# Altium PCB controller_V1.1.PcbDoc (part 6 of 7) (continued)
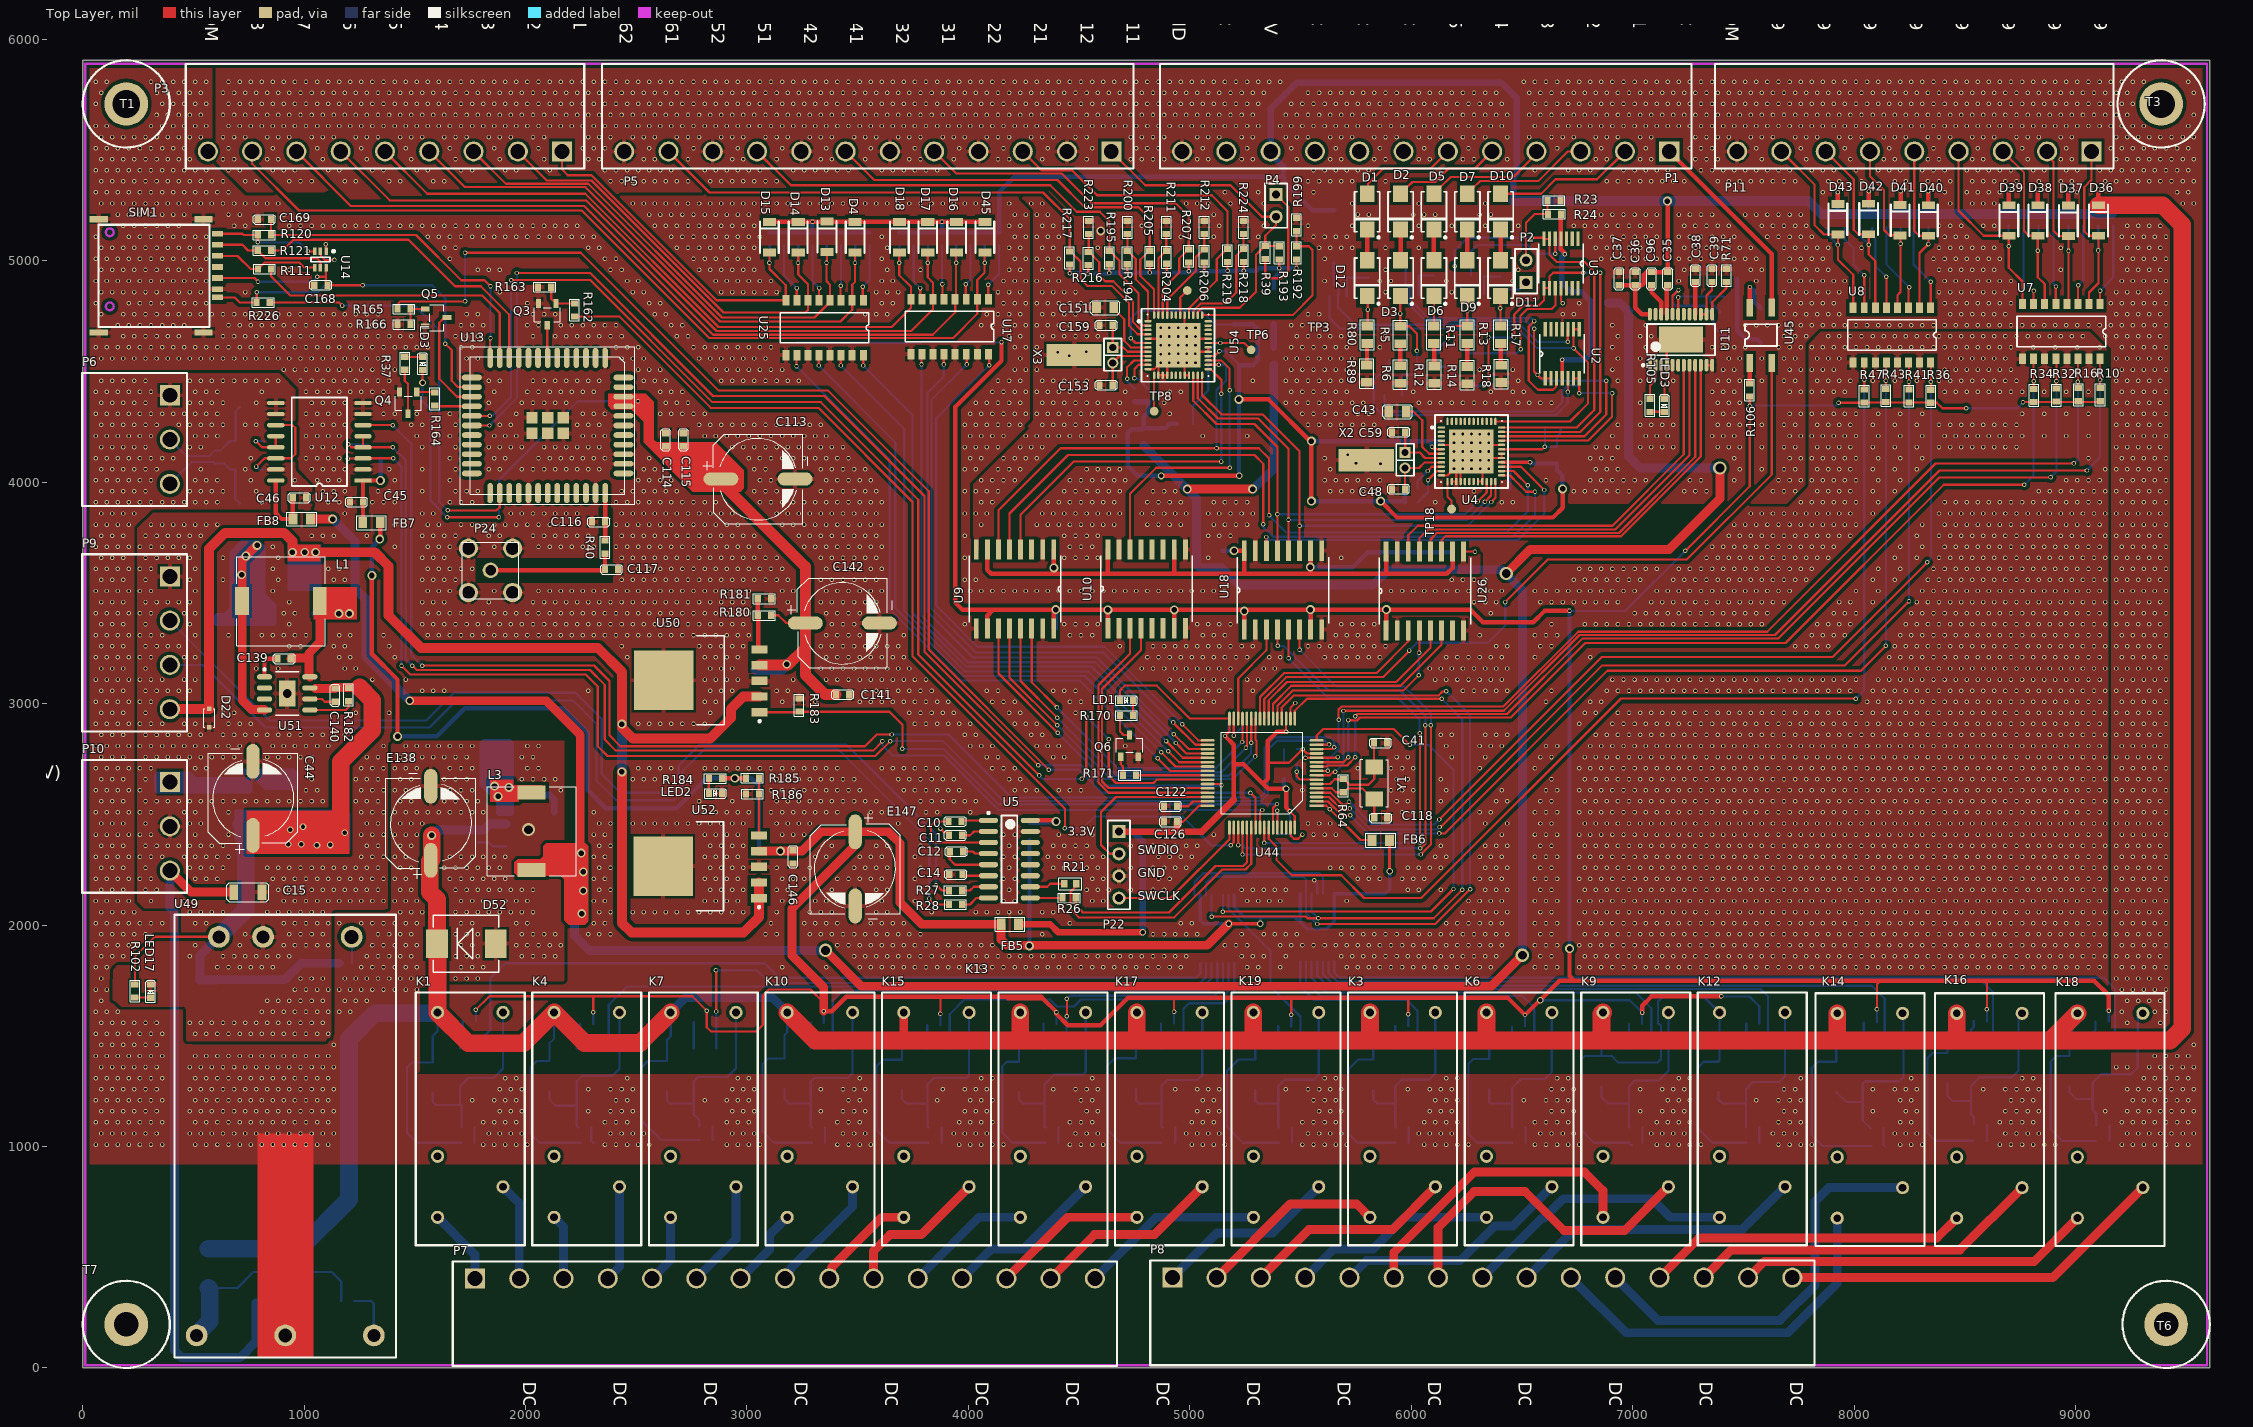
[diagram p0: Top Layer view]
## Nets (pads, with @x,y where several pads share a name; then routed paths per layer and width w, separated by ;. In a path a pad name is that pad's centre, name@x,y a point inside that pad or via, vN(x,y) a via of type N, cw(c..) or ccw(c..) an arc to the next point about the centre after c; other vN are vias at no path point) (continued)
  Bottom Layer w10: v1(5142,4400) 5142,4094 v1(5142.5,4093.5) v1@5143,4093
MD\R\D\Y\_PT1_MCU: U9.13 U44.28 | length 1605.9
  Top Layer w10: U9.13@4235.85,3339.9 4235.85,3102.15 v1(4401,2937) ; v1(5254,2801) 5254,2803.71 5257.99,2807.7 U44.28@5257.99,2932.7
  Bottom Layer w10: v1(4401,2937) 4648,2690 5143,2690 v1(5254,2801)
MD\R\D\Y\_PT2: U9.3
MD\R\D\Y\_PT2_MCU: U9.14 U44.29 | length 1510
  Top Layer w10: U9.14@4285.85,3339.9 4285.85,3097.15 v1(4400,2983) ; v1(5236,2827) 5236,2829.71 5238.31,2832.01 U44.29@5238.31,2932.7
  Bottom Layer w10: v1(4400,2983) 4675,2708 5117,2708 v1(5236,2827)
MIBSPI1CLK: U18.4 U44.51 | length 2387.4
  Top Layer w10: v1@5218,2361 v1(5218.62,2361.62) U44.51@5218.62,2440.57 ; v1@5395.85,3263.15 U18.4@5395.85,3334.9 ; v1(6040.55,2347) 6043.19,2347 6065,2368.81 6065,2902 v1(6064,2903)
  Bottom Layer w10: v1(5218.62,2361.62) 5236.53,2361.62 5251.15,2347 v1(6040.55,2347) ; v1(5398,3261) 5425,3261 5626,3060 5949,3060 6065,2944 6065,2904 v1(6064,2903)
MIBSPI1MCS1: U18.3 U44.30 | length 454.9
  Top Layer w10: U44.30@5218.62,2932.7 5218.62,3113.62 5345.85,3240.85 U18.3@5345.85,3334.9
MIBSPI1MCS2: U10.3 U44.45 | length 1268.1
  Top Layer w10: U10.3@4729.85,3340.9 4729.85,3225.85 4588,3084 4588,2643 4632.94,2598.06 U44.45@5080.83,2598.06
MIBSPI1MCS3: U10.4 U44.44 | length 1255
  Top Layer w10: U10.4@4779.85,3340.9 4779.85,3241.85 4604,3066 4604,2648.21 4633.21,2619 4749,2619 5079.57,2619 U44.44@5080.83,2617.74
MIBSPI1SIMO: U18.5 U44.57 | length 2166.3
  Top Layer w10: U44.57@5336.73,2440.57 5336.73,2371.27 v1(5337,2371) ; v1@5445.85,3205.15 U18.5@5445.85,3334.9 ; v1(6038,2867) 6039.9,2865.1 v1(6039.9,2371.99)
  Bottom Layer w10: v1(5337,2371) 6038.9,2371 v1(6039.9,2371.99) ; v1(5446,3205) 5623,3028 5938,3028 6038,2928 v1(6038,2867)
MIBSPI1SOMI: U18.6 U44.52 | length 2418.3
  Top Layer w10: v1(5238,2319) 5238.62,2319.62 5238.62,2383.59 5238.31,2383.9 U44.52@5238.31,2440.57 ; v1(5495.85,3243.15) U18.6@5495.85,3334.9 ; v1(6043,2319) 6089,2365 v1(6089,2903)
  Bottom Layer w10: v1(5238,2319) v1(6043,2319) ; v1@5496,3243 5662,3077 5969,3077 6017,3029 ; 6039,3007 6017,3029 ; v1(6089,2903) 6089,2957 6017,3029
MISO_AO_MCU: U26.6 U44.22 | length 1002.2
  Top Layer w10: U44.22@5376.1,2932.7 5376.1,2998.4 5458.7,3081 5951.85,3081 6136.85,3266 U26.6@6136.85,3330.87
MOSI_AO_MCU: U26.5 U44.23 | length 989.2
  Top Layer w10: U44.23@5356.42,2932.7 5356.42,3015 5439.42,3098 5931.85,3098 6086.85,3253 U26.5@6086.85,3330.87
MSR0: D12.2 R7.2 R80.2 | length 223.5
  Top Layer w10: R80.2@5801.29,4705.74 5804,4708.45 5804,4838.58 D12.2@5801.29,4841.29
  Bottom Layer w10: v1(5804,4780) 5804,4861.75 R7.2@5806.79,4864.54
MSR1: D3.2 R5.2 R29.2 | length 351.8
  Top Layer w10: D3.2@5951.92,4841.29 5950.92,4840.29 v1(5950.92,4761.9) R5.2@5950.92,4704.74 5992.46,4704.74 6026,4671.2 v1(6026,4593)
  Bottom Layer w10: v1(6026,4593) 6026,4546.45 R29.2@6026.79,4545.65
MSR2: D6.2 R1.2 R11.2 | length 236.3
  Top Layer w10: R11.2@6102.54,4705.74 D6.2@6102.54,4841.29
  Bottom Layer w10: v1(6102.54,4773.52) R1.2@6102.54,4874.26
MSR3: D9.2 R13.2 R44.2 | length 354.5
  Top Layer w10: v1(6168,4650) 6168,4690.19 6183.55,4705.74 R13.2@6253.17,4705.74 v1(6253.17,4773.52) D9.2@6253.17,4841.29
  Bottom Layer w10: R44.2@6124,4581.06 6124,4606 v1(6168,4650)
MSR4: D11.2 P2.1 R3.2 R17.2 | length 351.2
  Top Layer w10: R17.2@6403.79,4705.74 D11.2@6403.79,4841.29
  Bottom Layer w10: v1@6403.79,4784.92 v1(6402.79,4785.92) R3.2@6402.79,4870.54 6486.54,4870.54 P2.1@6519,4903
MSTART: R19.2 R189.2 U4.26 U9.6 U54.26 | length 3787.3
  Top Layer w10: U9.6@4135.85,3695.9 4135.85,3873.85 4416,4154 v1(5121,4154) 5312,4154 5358,4108 v1(5358,3851) ; U54.26@5082.99,4530.42 v1(5131.58,4530.42) v1@5132,4530 ; U4.26@6407.99,4050.42 6462.58,4050.42 6469,4044 ; 6482,4031 6469,4044 ; v1(6526,3987) 6469,4044
  Bottom Layer w10: v1(5121,4154) 5121,4416.89 R189.2@5163.11,4459 R19.2@5163.11,4529 5161.69,4530.42 v1(5131.58,4530.42) ; v1(5358,3851) 5436,3773 6431,3773 6526,3868 v1(6526,3987)
MSTART_MCU: U9.11 U44.26 | length 1777.7
  Top Layer w10: U9.11@4135.85,3339.9 4135.85,3136.15 v1(4404,2868) ; v1(5295.8,2761.8) 5295.8,2764.5 5301,2769.71 5301,2832 5297.36,2835.64 U44.26@5297.36,2932.7
  Bottom Layer w10: v1(4404,2868) 4612,2660 4641,2660 5194,2660 v1(5295.8,2761.8)
NetC3_1: C3.1 R1.1 R2.2 | length 158.4
  Bottom Layer w10: C3.1@6033,4845 6034.01,4846.01 R2.2@6034.01,4934.1 6034.81,4933.31 R1.1@6102.54,4933.31
NetC4_1: C4.1 R3.1 R4.2 | length 158.4
  Bottom Layer w10: C4.1@6327.79,4847.6 6328.83,4848.64 R4.2@6328.83,4931 6330.23,4929.6 R3.1@6402.79,4929.6
NetC5_1: C5.1 R7.1 R8.2 | length 180.8
  Bottom Layer w10: C5.1@5709.79,4840.6 5708.79,4841.6 R8.2@5708.79,4922.6 5709.79,4923.6 R7.1@5806.79,4923.6
NetC6_2: C6.2 R2.1 U2.3 | length 1261.5
  Top Layer w10: v1(6556,4728) 6531,4703 6531,4459 6572,4418 6641,4418 6654.41,4431.41 6654.41,4467 U2.3@6656.41,4469
  Bottom Layer w10: C6.2@5975.9,5012.06 C6.2@5975.9,5009.1 5975.43,5008.63 5975.43,4934.58 R2.1@5974.96,4934.1 5974.96,4895.17 5993.63,4876.5 5993.63,4824.95 6077.58,4741 6543,4741 v1(6556,4728)
NetC7_2: C7.2 R4.1 U3.5 | length 589.5
  Top Layer w10: U3.5@6650.41,5099 v1(6650.41,5032.59) v1@6651,5032
  Bottom Layer w10: R4.1@6269.78,4931 C7.2@6269.78,4991 6269.78,5043.78 6298,5072 6526.56,5072 6566.56,5032 v1@6651,5032
NetC8_2: C8.2 R8.1 U2.10 | length 1369.8
  Top Layer w10: v1(6707,4634) 6707.3,4634.3 6707.3,4690.7 U2.10@6707.59,4691
  Bottom Layer w10: R8.1@5649.74,4922.6 5651.65,4920.69 5651.65,4890.87 5670.42,4872.1 5670.42,4843.42 5670,4843 5670,4789 5748,4711 6493,4711 6570,4634 v1(6707,4634) ; R8.1@5649.74,4922.6 C8.2@5649.79,4991.6
NetC10_1: C10.1 U5.1 | length 123.1
  Top Layer w10: C10.1@3969.85,2468 3974.85,2473 U5.1@4090.85,2473
NetC10_2: C10.2 U5.3 | length 415.3
  Top Layer w10: C10.2@3910.8,2468 3850,2468 3831,2449 3831,2387 3845,2373 U5.3@4090.85,2373
NetC11_1: C11.1 U5.2 | length 127
  Top Layer w10: C11.1@3970.85,2406 4008,2406 4025,2423 U5.2@4090.85,2423
NetC12_1: C12.1 U5.4 | length 119.7
  Top Layer w10: C12.1@3974.91,2332 4021,2332 4030,2323 U5.4@4090.85,2323
NetC12_2: C12.2 U5.5 | length 219.9
  Top Layer w10: C12.2@3915.85,2332 3915.85,2297.15 3940,2273 U5.5@4090.85,2273
NetC13_1: C13.1 R29.1 R30.2 | length 162.4
  Bottom Layer w10: C13.1@5957.79,4392.6 5957.85,4392.65 R30.2@5957.85,4485.6 5958.85,4486.6 R29.1@6026.79,4486.6
NetC14_1: C14.1 U5.6 | length 120.5
  Top Layer w10: C14.1@3972.85,2229 3978.85,2223 U5.6@4090.85,2223
NetC17_2: C17.2 R30.1 U2.5 | length 1287
  Top Layer w10: v1(6707,4408) 6707.59,4408.59 U2.5@6707.59,4469
  Bottom Layer w10: C17.2@5899.74,4550.6 5899.26,4550.13 5899.26,4486.07 R30.1@5898.79,4485.6 5855.86,4485.6 5830.98,4460.71 5830.98,4344.02 5871,4304 6654,4304 6707,4357 v1(6707,4408)
NetC21_1: C21.1 R44.1 R45.2 | length 154.7
  Bottom Layer w10: R44.1@6124,4522 6191,4522 R45.2@6193,4520 6193,4438 C21.1@6195,4436
NetC25_2: C25.2 R45.1 U3.10 | length 720.3
  Top Layer w10: v1(6494,4600) 6494,4752 6525,4783 6636,4783 6652,4799 6652,4875.41 U3.10@6650.41,4877
  Bottom Layer w10: R45.1@6252.06,4520 6251.92,4520.13 6251.92,4582.47 C25.2@6251.79,4582.6 6476.6,4582.6 v1(6494,4600)
NetC35_1: C35.1 U11.21 | length 132.5
  Top Layer w20: U11.21@7154.56,4759.16 7154.56,4886.17 7158.34,4889.95 C35.1@7158.54,4889.95
NetC38_1: C38.1 U11.16 | length 145.3
  Top Layer w20: U11.16@7282.51,4759.16 7283.02,4759.67 7283.02,4903.49 C38.1@7283.54,4904
NetC39_1: C39.1 U11.14 U11.15 | length 180.7
  Top Layer w10: U11.15@7308.1,4759.16 U11.14@7333.69,4759.16 7333.69,4843.69 7358.54,4868.54 C39.1@7358.54,4904
NetC41_2: C41.2 R64.1 U44.6 Y1.2 | length 453.6
  Top Layer w10: U44.6@5572.95,2637.43 5633.43,2637.43 5655,2659 R64.1@5692.95,2659 5695.91,2659 5720.91,2634 5807,2634 5832.95,2659.95 Y1.2@5832.95,2714.67 5831.8,2715.83 C41.2@5831.8,2823
NetC43_1: C43.1 U4.7 | length 308.1
  Top Layer w10: C43.1@5977.17,4319 6011,4319 6050.35,4279.65 6050.35,4159.65 6080.84,4129.16 U4.7@6136.34,4129.16
NetC48_1: C48.1 U4.9 X2.1 | length 269.9
  Top Layer w10: C48.1@5972.17,3969 X2.1@5972.17,4064 6035,4064 6060.79,4089.79 U4.9@6136.34,4089.79
NetC59_1: C59.1 U4.8 X2.2 | length 267.2
  Top Layer w10: C59.1@5973.17,4226.42 5973.17,4135 X2.2@5972.17,4134 6038,4134 6062.53,4109.47 U4.8@6136.34,4109.47
NetC87_2: C87.2 R123.1 | length 71.8
  Bottom Layer w10: R123.1@8599.06,1026.15 8601.06,1028.15 C87.2@8601.06,1097.15
NetC88_2: C88.2 R125.1 | length 71.9
  Bottom Layer w10: C88.2@2297.26,1085.65 2297.26,1025.9 R125.1@2305.85,1017.31
NetC89_2: C89.2 R126.1 | length 70.4
  Bottom Layer w10: R126.1@9152.06,1025.15 9153.06,1026.15 C89.2@9153.06,1095.15
NetC90_2: C90.2 R122.1 | length 68.3
  Bottom Layer w10: R122.1@1769.85,1017.31 C90.2@1769.85,1085.65
NetC91_2: C91.2 R129.1 | length 61
  Bottom Layer w10: R129.1@2845,1030 2845.06,1030.06 C91.2@2845.06,1091
NetC93_2: C93.2 R133.1 | length 68.3
  Bottom Layer w10: R133.1@3352.09,1017.31 C93.2@3352.09,1085.65
NetC95_2: C95.2 R137.1 | length 68.3
  Bottom Layer w10: R137.1@4406.91,1017.31 C95.2@4406.91,1085.65
NetC96_1: C96.1 U11.22 | length 148.9
  Top Layer w20: C96.1@7085.2,4889.95 7085.2,4857.8 7128.97,4814.03 U11.22@7128.97,4759.16
NetC98_2: C98.2 R141.1 | length 68.3
  Bottom Layer w10: R141.1@3879.5,1017.31 C98.2@3879.5,1085.65
NetC102_2: C102.2 R145.1 | length 69.4
  Bottom Layer w10: R145.1@4931.85,1017.31 4934.32,1019.78 C102.2@4934.32,1085.65
NetC104_2: C104.2 R149.1 | length 68.3
  Bottom Layer w10: R149.1@5461.73,1017.31 C104.2@5461.73,1085.65
NetC106_2: C106.2 R151.1 | length 68.9
  Bottom Layer w10: R151.1@5987.85,1017.31 5989.14,1018.6 C106.2@5989.14,1085.65
NetC107_2: C107.2 R153.1 | length 68.3
  Bottom Layer w10: R153.1@6516.55,1017.31 C107.2@6516.55,1085.65
NetC109_2: C109.2 R155.1 | length 68.3
  Bottom Layer w10: R155.1@7043.97,1017.31 C109.2@7043.97,1085.65
NetC110_2: C110.2 R157.1 | length 69
  Bottom Layer w10: C110.2@7571.38,1085.65 7571.38,1018.84 R157.1@7572.91,1017.31
NetC111_2: C111.2 R159.1 | length 81.7
  Bottom Layer w10: C111.2@8133,1082.15 8133,1006.2 R159.1@8137.06,1002.15
NetC116_1: C116.1 R40.1 U13.35 | length 215.4
  Top Layer w20: R40.1@2358.85,3736.43 2359.85,3737.43 C116.1@2359.85,3821.43 2359.69,3821.59 U13.35@2359.69,3951.32
NetC117_1: C117.1 P24.1 R40.2 | length 590.1
  Top Layer w20: P24.1@1842,3602 2355.17,3602 2358.85,3605.68 R40.2@2358.85,3677.38
NetC118_2: C118.2 R64.2 U44.5 Y1.1 | length 379.8
  Top Layer w10: U44.5@5572.95,2617.74 5641.26,2617.74 5659.06,2599.94 R64.2@5692.95,2599.94 5695.91,2599.94 5713.49,2617.53 5778.52,2617.53 5827.05,2569 Y1.1@5832.95,2569 C118.2@5832.94,2484
NetC119_2: C119.2 U44.31 | length 154.4
  Top Layer w10: v1(5198.94,2856.06) U44.31@5198.94,2932.7
  Bottom Layer w10: v1(5198.94,2856.06) 5238.31,2895.43 C119.2@5238.31,2917.49
NetC120_2: C120.2 R168.1 U44.7 | length 188.4
  Top Layer w10: v1(5482.91,2693) 5482.91,2671.73 5497.53,2657.11 U44.7@5572.95,2657.11
  Bottom Layer w10: C120.2@5482.91,2730 v1(5482.91,2693) R168.1@5482.95,2659 R168.1@5482.95,2659
NetC122_2: C122.2 U44.47 | length 147.8
  Top Layer w10: C122.2@4942.06,2537 4993,2537 5014.69,2558.69 U44.47@5080.83,2558.69
NetC137_1: C137.1 D35.2 L3.1 U6.8 | length 125.8
  Bottom Layer w30: v3(1876,2581) 1878.71,2581 1885.71,2588 C137.1@1998.94,2588
  other v3: 1925,2622 1860,2628
NetC137_2: C137.2 U6.1 | length 138.1
  Bottom Layer w30: C137.2@2058,2588 2109,2588 2129,2568 U6.1@2129,2509.19
NetC139_1: C139.1 D70.2 L1.1 U51.8 | length 598.5
  Top Layer w40: C139.1@939.85,3203 943.85,3207 1022,3207 ; U51.8@1025.99,3121.33 1022,3125.32 1022,3207 ; L1.1@1070.85,3463 1070.85,3276.85 1022,3228 1022,3207
  Bottom Layer w40: D70.2@1053.85,3407 v3(1205,3407)
  other v3: 1157,3407
NetC139_2: C139.2 U51.1 | length 133.7
  Top Layer w20: U51.1@821.27,3121.33 821.27,3190.27 834,3203 C139.2@880.8,3203
NetC143_1: C143.1 C144.1 C145.1 F5.1 L1.2 U51.4 | length 976.2
  Top Layer w40: v3@787,3715 720.46,3648.46 L1.2@720.46,3463 720.46,3015.54 763,2973 819.6,2973 U51.4@821.27,2971.33
  Bottom Layer w40: F5.1@787.85,3585 787.85,3714.85 v3(788,3715)
  other v3: 718,3582 737,3667
NetC151_1: C151.1 U54.7 | length 289.1
  Top Layer w10: C151.1@4657.17,4789 4657.17,4783.1 4704,4736.26 4704,4639 4733.84,4609.16 U54.7@4811.34,4609.16
NetC153_1: C153.1 U54.9 X3.1 | length 271.9
  Top Layer w10: C153.1@4652.17,4439 X3.1@4652.17,4539 4682.95,4569.79 U54.9@4811.34,4569.79
NetC159_1: C159.1 U54.8 X3.2 | length 267.3
  Top Layer w10: C159.1@4652.17,4709 X3.2@4652.17,4609 4700.03,4609 4719.56,4589.47 U54.8@4811.34,4589.47
NetD1_2: D1.2 D12.1 | length 138.6
  Top Layer w20: D12.1@5801.29,5002.71 D1.2@5801.29,5141.29
NetD2_2: D2.2 D3.1 | length 138.6
  Top Layer w20: D3.1@5951.92,5002.71 D2.2@5951.92,5141.29
NetD5_2: D5.2 D6.1 | length 138.6
  Top Layer w20: D6.1@6102.54,5002.71 D5.2@6102.54,5141.29
NetD7_2: D7.2 D9.1 | length 138.6
  Top Layer w20: D9.1@6253.17,5002.71 D7.2@6253.17,5141.29
NetD10_2: D10.2 D11.1 | length 138.6
  Top Layer w20: D11.1@6403.79,5002.71 D10.2@6403.79,5141.29
NetD72_1: D72.1 F2.2 | length 106.3
  Bottom Layer w30: F2.2@5379,4608 D72.1@5379,4714.29
NetF1_1: F1.1 Q2.4
NetF4_1: F4.1 R178.2 U49.4 | length 975.4
  Bottom Layer w10: F4.1@568,360.83 698.83,360.83 771,433 1125,433 1167.85,390.15 R178.2@1167.85,303
  Bottom Layer w80: U49.4@515,147 515,151.99 574,210.99 574,354.83 F4.1@568,360.83
NetF7_1: F7.1 U12.12 U12.13 | length 188.7
  Top Layer w10: v1(782,4186) 810,4158 U12.13@872.3,4158 U12.12@872.3,4208
  Bottom Layer w10: v1(782,4186) F7.1@818.85,4186
NetF8_1: F8.1 U12.11 U12.14 | length 449.6
  Top Layer w10: v1(784,4071) 821,4108 U12.14@872.3,4108 942,4108 960,4126 960,4246 948,4258 U12.11@872.3,4258
  Bottom Layer w10: v1(784,4071) 797,4058 F8.1@816.8,4058
NetLD1_2: LD1.2 R170.1 | length 68.5
  Top Layer w10: R170.1@4743.57,2946.74 4744.06,2947.23 LD1.2@4744.06,3015
NetLD3_2: LD3.2 R37.1 | length 80.4
  Top Layer w10: R37.1@1455.09,4566.99 1456.03,4566.05 LD3.2@1535.09,4566.05
NetLED2_1: LED2.1 R184.1 | length 68.4
  Top Layer w10: R184.1@2827.85,2663 2827.85,2596 LED2.1@2828.85,2595
NetLED3_1: LED3.1 R105.2 | length 65
  Top Layer w10: R105.2@7078.46,4318 LED3.1@7143.46,4318
NetLED3_2: LED3.2 U11.3 | length 157.8
  Top Layer w10: U11.3@7128.97,4528.84 7128.97,4447.03 7143.46,4432.54 LED3.2@7143.46,4377.05
NetLED17_1: LED17.1 R102.1 | length 71.6
  Top Layer w10: R102.1@235.85,1673 306,1673 LED17.1@307,1672
NetP2_2: P2.2 R23.2 R24.1 | length 345.5
  Top Layer w10: P2.2@6519,5003 6519,5173 6557,5211 R24.1@6616.94,5211 6615.97,5211.97 6615.97,5271.03 R23.2@6615,5272
NetP4_1: P4.1 R39.2 | length 564.2
  Top Layer w10: R39.2@5340.95,5007.89 5340.95,4937.05 5357,4921 5414,4921 5445,4952 5445,5244 P4.1@5390,5299
NetP9_2: P9.2 R27.2 | length 4640.1
  Top Layer w10: v1@3854,2183 3881,2156 R27.2@3911.85,2156
  Bottom Layer w10: P9.2@393.86,3375 844.86,2924 1552,2924 1677,3049 2226,3049 2344,2931 2344,2682 2428,2598 2651,2598 2692,2639 2692,2721 2787,2816 3449,2816 3575.88,2689.12 3854,2411 v1(3854,2180) v1@3854,2177.45
NetP9_3: P9.3 R28.2 | length 4642.2
  Top Layer w10: v1@3823,2118 3848,2093 R28.2@3912.8,2093
  Bottom Layer w10: P9.3@393.86,3175 543,3175 826,2892 1566,2892 1688,3014 1915,3014 ; 1942,3014 1915,3014 ; v1(3823,2120) 3823,2383 3412,2794 2808,2794 2710,2696 2710,2604 2670,2564 2410,2564 2320,2654 2320,2909 2215,3014 1915,3014
NetP10_1: P10.1 Q2.1 Q2.2 Q2.5 Q2.6
NetQ3_1: Q3.1 R162.2 R163.2 | length 172
  Top Layer w10: R163.2@2116.06,4881 2116.06,4828.54 2122.91,4821.69 2130.78,4821.69 2137.59,4814.87 Q3.1@2137.59,4807 2221.95,4807 R162.2@2222,4807.06
NetQ3_3: Q3.3 U13.7 | length 147.7
  Top Layer w10: Q3.3@2098.22,4708.58 2098.22,4563.18 U13.7@2099.85,4561.55
NetQ4_1: Q4.1 R164.2 | length 81.8
  Top Layer w10: Q4.1@1509.09,4407.89 1588.24,4407.89 R164.2@1590.09,4406.05
NetQ4_3: Q4.3 R37.2 | length 204.5
  Top Layer w10: R37.2@1455.09,4507.94 1455.09,4458.91 1469.72,4444.28 Q4.3@1469.72,4309.46
NetQ5_1: Q5.1 R165.2 R166.2 | length 135.9
  Top Layer w10: R166.2@1481.06,4713.09 R165.2@1481.06,4783.09 Q5.1@1547.01,4783.09
NetQ5_3: Q5.3 U13.15 | length 479
  Top Layer w10: Q5.3@1645.43,4743.72 1638.62,4736.91 1626.91,4736.91 1610,4720 1610,4467 1690.65,4386.35 U13.15@1757.33,4386.35
NetQ6_1: Q6.1 R171.2 | length 87.9
  Top Layer w10: Q6.1@4688.48,2760.58 4688.48,2726.52 4698.85,2716.15 R171.2@4698.85,2677
NetQ6_3: Q6.3 R170.2 | length 121.4
  Top Layer w10: R170.2@4684.51,2946.74 4684.51,2875.49 4701,2859 Q6.3@4727.85,2859
NetR5_1: R5.1 R6.2 | length 99.9
  Top Layer w20: R6.2@5950.48,4526.3 5950.7,4526.52 5950.7,4625.78 R5.1@5950.92,4626
NetR9_1: R9.1 U7.1 | length 379.8
  Top Layer w10: U7.1@9111,4805.03 v1(9111,4865)
  Bottom Layer w10: v1(9111,4865) 9171,4925 R9.1@9171,5160
NetR11_1: R11.1 R12.2 | length 102.5
  Top Layer w20: R11.1@6102.54,4627 6103.51,4626.03 6103.51,4526.27 R12.2@6104.48,4525.3
NetR13_1: R13.1 R14.2 | length 104
  Top Layer w20: R14.2@6252.48,4523.3 6252.82,4523.64 6252.82,4626.66 R13.1@6253.17,4627
NetR15_1: R15.1 U7.3 | length 365.1
  Top Layer w10: U7.3@9011,4805.03 9011,4885.29 9013,4887.29 v1(9013,4890)
  Bottom Layer w10: v1(9013,4890) 9035.57,4912.57 R15.1@9035.57,5160
NetR17_1: R17.1 R18.2 | length 99.1
  Top Layer w20: R17.1@6403.79,4627 6405.13,4625.66 6405.13,4530.38 R18.2@6406.48,4529.04
NetR20_2: R20.2 U4.10 | length 165.3
  Top Layer w10: v1(6074,4051) 6093.1,4070.1 U4.10@6136.34,4070.1
  Bottom Layer w10: R20.2@6028.06,3975 6028.06,4005.06 v1(6074,4051)
NetR21_1: R21.1 U5.10 | length 158.3
  Top Layer w10: U5.10@4279.83,2173 4356,2173 4370,2187 R21.1@4432.35,2187
NetR22_1: R22.1 U44.60 | length 123
  Top Layer w10: U44.60@5395.79,2440.57 v1(5395.79,2516.21)
  Bottom Layer w10: R22.1@5393,2470 5395.79,2472.79 v1(5395.79,2516.21)
NetR25_2: R25.2 U49.1 | length 119.8
  Bottom Layer w10: U49.1@1215,1947 1216,1946 1216,1829 R25.2@1217,1828
NetR26_1: R26.1 U5.9 | length 146
  Top Layer w10: U5.9@4279.83,2123 R26.1@4425.85,2123
NetR31_1: R31.1 U7.5 | length 360.3
  Top Layer w10: U7.5@8911,4805.03 8911,4883 v1(8912,4884)
  Bottom Layer w10: R31.1@8900.14,5160 8900.14,4895.86 v1(8912,4884)
NetR33_1: R33.1 U7.7 | length 374.1
  Top Layer w10: U7.7@8811,4805.03 v1(8811,4864)
  Bottom Layer w10: R33.1@8764.71,5160 8764.71,4910.29 v1(8811,4864)
NetR35_1: R35.1 U8.1 | length 395.1
  Top Layer w10: U8.1@8346,4789 v1(8346,4906)
  Bottom Layer w10: R35.1@8268.33,5151.94 8268.33,4983.67 v1(8346,4906)
NetR38_1: R38.1 U8.3 | length 406.9
  Top Layer w10: U8.3@8246,4789 8246,4875.29 8249,4878.29 v1(8249,4881)
  Bottom Layer w10: R38.1@8146,5151.94 8146,4984 v1(8249,4881)
NetR42_1: R42.1 U8.5 | length 386.5
  Top Layer w10: v1(8145,4928) 8146,4927 U8.5@8146,4789
  Bottom Layer w10: R42.1@8082,5148.94 8082,5115 8096,5101 8096,4977 v1(8145,4928)
NetR46_1: R46.1 U8.7 | length 396.1
  Top Layer w10: v1(8045.5,4934.88) 8046,4934.38 U8.7@8046,4789
  Bottom Layer w10: R46.1@7956.53,5148 7956.53,5098.14 7997.67,5057 7997.67,4982.71 v1(8045.5,4934.88)
NetR71_1: R71.1 U11.13 | length 171.5
  Top Layer w10: U11.13@7359.28,4759.16 7359.28,4813.36 7423.54,4877.61 R71.1@7423.54,4904
NetR73_2: R73.2 U4.11 | length 197.5
  Top Layer w10: v1(6076,4010) 6116.42,4050.42 U4.11@6136.34,4050.42
  Bottom Layer w10: R73.2@6029,3909 6076,3956 v1(6076,4010)
NetR75_2: R75.2 U54.11 | length 193.4
  Top Layer w10: v1(4750,4469) 4750,4512 4768.42,4530.42 U54.11@4811.34,4530.42 U54.11@4811.14,4530.22
  Bottom Layer w10: v1(4750,4469) 4751.91,4467.09 4765.18,4467.09 4809.21,4423.06 R75.2@4812.17,4423.06
NetR80_1: R80.1 R89.2 | length 97.7
  Top Layer w20: R89.2@5799.48,4530.04 5800.39,4530.95 5800.39,4626.09 R80.1@5801.29,4627
NetR81_1: R81.1 U25.1 | length 260.7
  Top Layer w10: v1(3523,4883) 3523,4824.62 U25.1@3525.5,4822.11
  Bottom Layer w10: v1(3523,4883) 3553.61,4913.61 R81.1@3553.61,5069.06
NetR86_1: R86.1 U25.3 | length 248.7
  Top Layer w10: v1(3423,4888) 3423,4824.62 U25.3@3425.5,4822.11
  Bottom Layer w10: v1(3423,4888) 3424.75,4889.75 R86.1@3424.75,5069.06
NetR92_1: R92.1 U25.5 | length 259.6
  Top Layer w10: U25.5@3325.5,4822.11 3326,4822.61 v1(3326,4877)
  Bottom Layer w10: R92.1@3295.89,5069.06 3295.89,4907.11 v1(3326,4877)
NetR96_1: R96.1 U25.7 | length 271.2
  Top Layer w10: v1(3225,4877) 3225,4822.62 U25.7@3225.5,4822.11
  Bottom Layer w10: R96.1@3167.04,5069.06 3167.04,4934.96 v1(3225,4877)
NetR105_1: R105.1 U11.2 | length 162.1
  Top Layer w10: R105.1@7078.46,4377.05 7078.46,4437.46 7103.38,4462.38 U11.2@7103.38,4528.84
NetR106_1: R106.1 U45.1 | length 92.9
  Top Layer w20: R106.1@7528.54,4446.1 U45.1@7528.54,4539
NetR107_1: R107.1 U46.1 | length 127.4
  Bottom Layer w10: U46.1@1703.85,1443 1703.85,1502.08 1716.8,1515.03 R107.1@1716.8,1565
NetR108_1: R108.1 U17.1 | length 262.3
  Top Layer w10: v1(4090,4892) 4090,4827.62 U17.1@4090.5,4827.11
  Bottom Layer w10: v1(4090,4892) 4138.61,4940.61 R108.1@4138.61,5069.06
NetR111_1: R111.1 SIM1.2 U14.4 | length 487.8
  Top Layer w10: SIM1.2@609.02,5022.25 699.75,5022.25 759,4963 R111.1@791.94,4963 791.94,4965.95 800.72,4974.73 803.68,4974.73 821.94,4993 977.17,4993 1000.58,4969.58 U14.4@1048.41,4969.58
NetR113_1: R113.1 U17.3 | length 252.1
  Top Layer w10: v1(3988,4895) 3988,4829.62 U17.3@3990.5,4827.11
  Bottom Layer w10: v1(3988,4895) 4010.04,4917.04 R113.1@4010.04,5069.06
NetR115_1: R115.1 U17.5 | length 245.7
  Top Layer w10: v1(3883,4895) 3883,4834.62 U17.5@3890.5,4827.11
  Bottom Layer w10: R115.1@3881.46,5069.06 3881.46,4896.54 v1(3883,4895)
NetR117_1: R117.1 U17.7 | length 257.5
  Top Layer w10: v1(3783,4877) 3783,4834.61 U17.7@3790.5,4827.11
  Bottom Layer w10: R117.1@3752.89,5069.06 3752.89,4907.11 v1(3783,4877)
NetR120_1: R120.1 SIM1.3 U14.3 | length 492.3
  Top Layer w10: SIM1.3@609.02,5122.25 721.75,5122.25 727,5117 R120.1@790.8,5117 v1(790.8,5083.2) ; v1(1017,5044) 1018.58,5042.42 U14.3@1048.41,5042.42
  Bottom Layer w10: v1(790.8,5083.2) 977.8,5083.2 v1(1017,5044)
NetR121_1: R121.1 SIM1.7 U14.5 | length 524.7
  Top Layer w10: SIM1.7@609.02,5072.25 721.75,5072.25 747,5047 R121.1@790.8,5047 790.8,5044.05 799.58,5035.27 802.53,5035.27 825.8,5012 1058,5012 1074,4996 U14.5@1074,4969.58
NetR124_1: R124.1 U19.1 | length 117.4
  Bottom Layer w10: U19.1@8528,1454.15 8528,1527 8541,1540 R124.1@8541,1566.15
NetR127_1: R127.1 U20.1 | length 117.2
  Bottom Layer w10: U20.1@2231.85,1443 2231.85,1503.85 2246.8,1518.8 R127.1@2246.8,1554
NetR128_1: R128.1 U21.1 | length 107.4
  Bottom Layer w10: U21.1@9078,1463.15 9078,1513 9091,1526 R128.1@9091,1565.15
NetR131_1: R131.1 U23.1 | length 118
  Bottom Layer w10: R131.1@2759.8,1561 2759.85,1560.95 U23.1@2759.85,1443
NetR135_1: R135.1 U29.1 | length 116
  Bottom Layer w10: R135.1@3287.8,1559 3287.8,1443.06 U29.1@3287.85,1443
NetR139_1: R139.1 U31.1 | length 114.1
  Bottom Layer w10: R139.1@4338.8,1555 4338.8,1448.06 U31.1@4343.85,1443
NetR142_1: R142.1 U33.1 | length 105.4
  Bottom Layer w10: R142.1@3814.8,1548 3814.8,1444.06 U33.1@3815.85,1443
NetR147_1: R147.1 U35.1 | length 113.8
  Bottom Layer w10: R147.1@4869.85,1556 4869.85,1445 U35.1@4871.85,1443
NetR150_1: R150.1 U37.1 | length 100.4
  Bottom Layer w10: R150.1@5398.85,1543 5399.85,1542 U37.1@5399.85,1443
NetR152_1: R152.1 U38.1 | length 102
  Bottom Layer w10: U38.1@5927.85,1443 R152.1@5927.85,1545
NetR154_1: R154.1 U39.1 | length 99.4
  Bottom Layer w10: R154.1@6454.85,1542 6454.85,1444 U39.1@6455.85,1443
NetR156_1: R156.1 U40.1 | length 110
  Bottom Layer w10: R156.1@6983.8,1553 6983.8,1443.06 U40.1@6983.85,1443
NetR158_1: R158.1 U41.1 | length 113.4
  Bottom Layer w10: U41.1@7511.85,1443 7512.85,1444 R158.1@7512.85,1556
NetR160_1: R160.1 U42.1 | length 112.4
  Bottom Layer w10: U42.1@8039,1450.15 8044.22,1455.37 R160.1@8044.22,1560.38
NetR164_1: R164.1 U13.16 | length 168.9
  Top Layer w10: R164.1@1590.09,4346.99 1594.03,4343.05 U13.16@1757.33,4343.05
NetR178_1: R178.1 U49.6 | length 236.5
  Bottom Layer w10: R178.1@1226.91,303 1302,303 1315,290 U49.6@1315,147
NetR179_1: R179.1 U6.5 | length 135.1
  Bottom Layer w10: R179.1@1783.85,2373.95 1834.05,2373.95 1852,2356 U6.5@1911.49,2356
NetR180_2: R180.2 R181.2 U50.5 | length 239.6
  Top Layer w20: R180.2@3048.94,3399 R181.2@3048.94,3474 ; R180.2@3051.06,3407 3051.06,3250.95 U50.5@3057.07,3244.94
NetR182_1: R182.1 U51.5 | length 207.3
  Top Layer w10: U51.5@1025.99,2971.33 1188.33,2971.33 1201,2984 R182.1@1201,3011
NetR185_2: R185.2 R186.2 U52.5 | length 259.2
  Top Layer w10: R185.2@3054.06,2664 3054.06,2405.48 U52.5@3054.52,2405.02
NetR190_2: R190.2 U54.10 | length 219.9
  Top Layer w10: v1(4717,4468) 4717,4519 4748.1,4550.1 U54.10@4811.34,4550.1
  Bottom Layer w10: v1(4717,4468) 4718.91,4466.09 4718.91,4453.36 4749.21,4423.06 R190.2@4752.17,4423.06 R190.2@4752.5,4423.39
NetTP3_1: TP3.1 U54.42 | length 124.4
  Top Layer w10: U54.42@4957.01,4754.83 4957.01,4834.01 TP3.1@4989,4866
NetTP8_1: TP8.1 U54.13 | length 162.5
  Top Layer w10: TP8.1@4838.9,4320.69 U54.13@4838.9,4483.17
NetTP18_1: TP18.1 U4.13 | length 131.7
  Top Layer w10: U4.13@6163.9,4003.17 6163.9,3935.1 6182.17,3916.83 TP18.1@6182.17,3879
NetU22_14: U22.14 U28.9 | length 738.4
  Bottom Layer w10: U28.9@5021.67,2135 5021.67,2194.67 5061,2234 5586,2234 5601.03,2218.97 U22.14@5601.03,2142.09
PT100_A1: R192.1 R199.2 U54.37 | length 890.4
  Top Layer w10: U54.37@5055.43,4754.83 5464.83,4754.83 5554,4844 5554,5049 5537.16,5065.84 R192.1@5481.95,5065.84 ; R192.1@5479,5065.84 R192.1@5481.95,5065.84 ; R199.2@5481.95,5133.79 R192.1@5481.95,5065.84
PT100_A2: R204.1 R211.2 U54.47 | length 381.5
  Top Layer w10: U54.47@4858.58,4754.83 4858.58,5011.71 4894,5047.13 R211.2@4894,5121.63
PT100_A3: R216.1 R223.2 U54.3 | length 585.5
  Top Layer w10: R216.1@4541.51,5040.58 4544.46,5040.58 4591,4994.05 4591,4934 4617.12,4907.88 4654.65,4907.88 4711,4851.52 4711,4851 4743,4819 4743,4725 4780.1,4687.9 U54.3@4811.34,4687.9 ; R216.1@4543.51,5042.58 R223.2@4543.51,5121.63
PT100_A4: R194.1 R200.2 U54.1 | length 435.4
  Top Layer w10: R200.2@4718.51,5121.63 4718.51,5044.74 R194.1@4717.51,5043.74 4720.46,5043.74 4756,5008.21 4756,4917 4811.34,4861.66 U54.1@4811.34,4727.27
PT100_A5: R206.1 R212.2 U54.45 | length 437.9
  Top Layer w10: U54.45@4897.95,4754.83 4897.95,4824.95 5028,4955 5028,5017.13 5062.56,5051.69 R206.1@5065.51,5051.69 R212.2@5065.51,5121.63
PT100_A6: R218.1 R224.2 U54.39 | length 528.2
  Top Layer w10: U54.39@5016.06,4754.83 5016.26,4755.02 5016.26,4774.26 5049,4807 5160,4807 5210,4857 5210,5023.13 5240.56,5053.69 R218.1@5243.51,5053.69 5242.51,5054.69 R224.2@5242.51,5121.63
PT100_B1: P4.2 P5.1 R39.1 R193.1 U54.38 | length 1642.6
  Top Layer w10: P5.1@4645.67,5494 4798.67,5341 5184,5341 5326,5199 P4.2@5390,5199 ; U54.38@5035.75,4754.83 5035.94,4755.02 5035.94,4768.5 5055.45,4788 5226.13,4788 5299.04,4860.9 5299.04,5027.98 5338,5066.95 R39.1@5340.95,5066.95 ; R193.1@5403.95,5065.84 5402.85,5066.95 R39.1@5340.95,5066.95 ; P4.2@5410,5199 P4.2@5390,5199 ; R39.1@5340.95,5066.95 5340.95,5112.95 5390,5162 P4.2@5390,5199
PT100_B2: P5.7 R205.1 U54.48 | length 1981
  Top Layer w10: P5.7@3445.67,5494 3574.67,5365 4403,5365 4526,5242 4768,5242 4819.51,5190.49 R205.1@4819.51,5045.69 4816.56,5045.69 4776,5005.13 4776,4933 4838.9,4870.1 U54.48@4838.9,4754.83
PT100_B3: P5.11 R217.1 U54.4 | length 2698.7
  Top Layer w10: P5.11@2645.67,5494 2830.67,5309 4337,5309 4457.51,5188.49 R217.1@4457.51,5042.84 4460.47,5042.84 4506,4997.31 4506,4918 4537,4887 4647,4887 4726,4808 4726,4707 4764.79,4668.21 U54.4@4811.34,4668.21
PT100_B4: P5.9 R195.1 U54.2 | length 2283.7
  Top Layer w10: P5.9@3045.67,5494 3198.67,5341 4370,5341 4489,5222 4594,5222 4637,5179 4637,5044.17 R195.1@4636.51,5043.69 4639.46,5043.69 4683,5000.15 4683,4940 4768.84,4854.16 4768.84,4722.49 4783.74,4707.58 U54.2@4811.34,4707.58
PT100_B5: P5.5 R207.1 U54.46 | length 1767.4
  Top Layer w10: P5.5@3845.67,5494 3945.43,5394.24 4422.12,5394.24 4556.35,5260 4936,5260 4995.51,5200.49 R207.1@4995.51,5051.69 4992.56,5051.69 4952,5011.13 4952,4947 4878.27,4873.27 U54.46@4878.27,4754.83